# Altium PCB Blues Brkr.PcbDoc (continued)
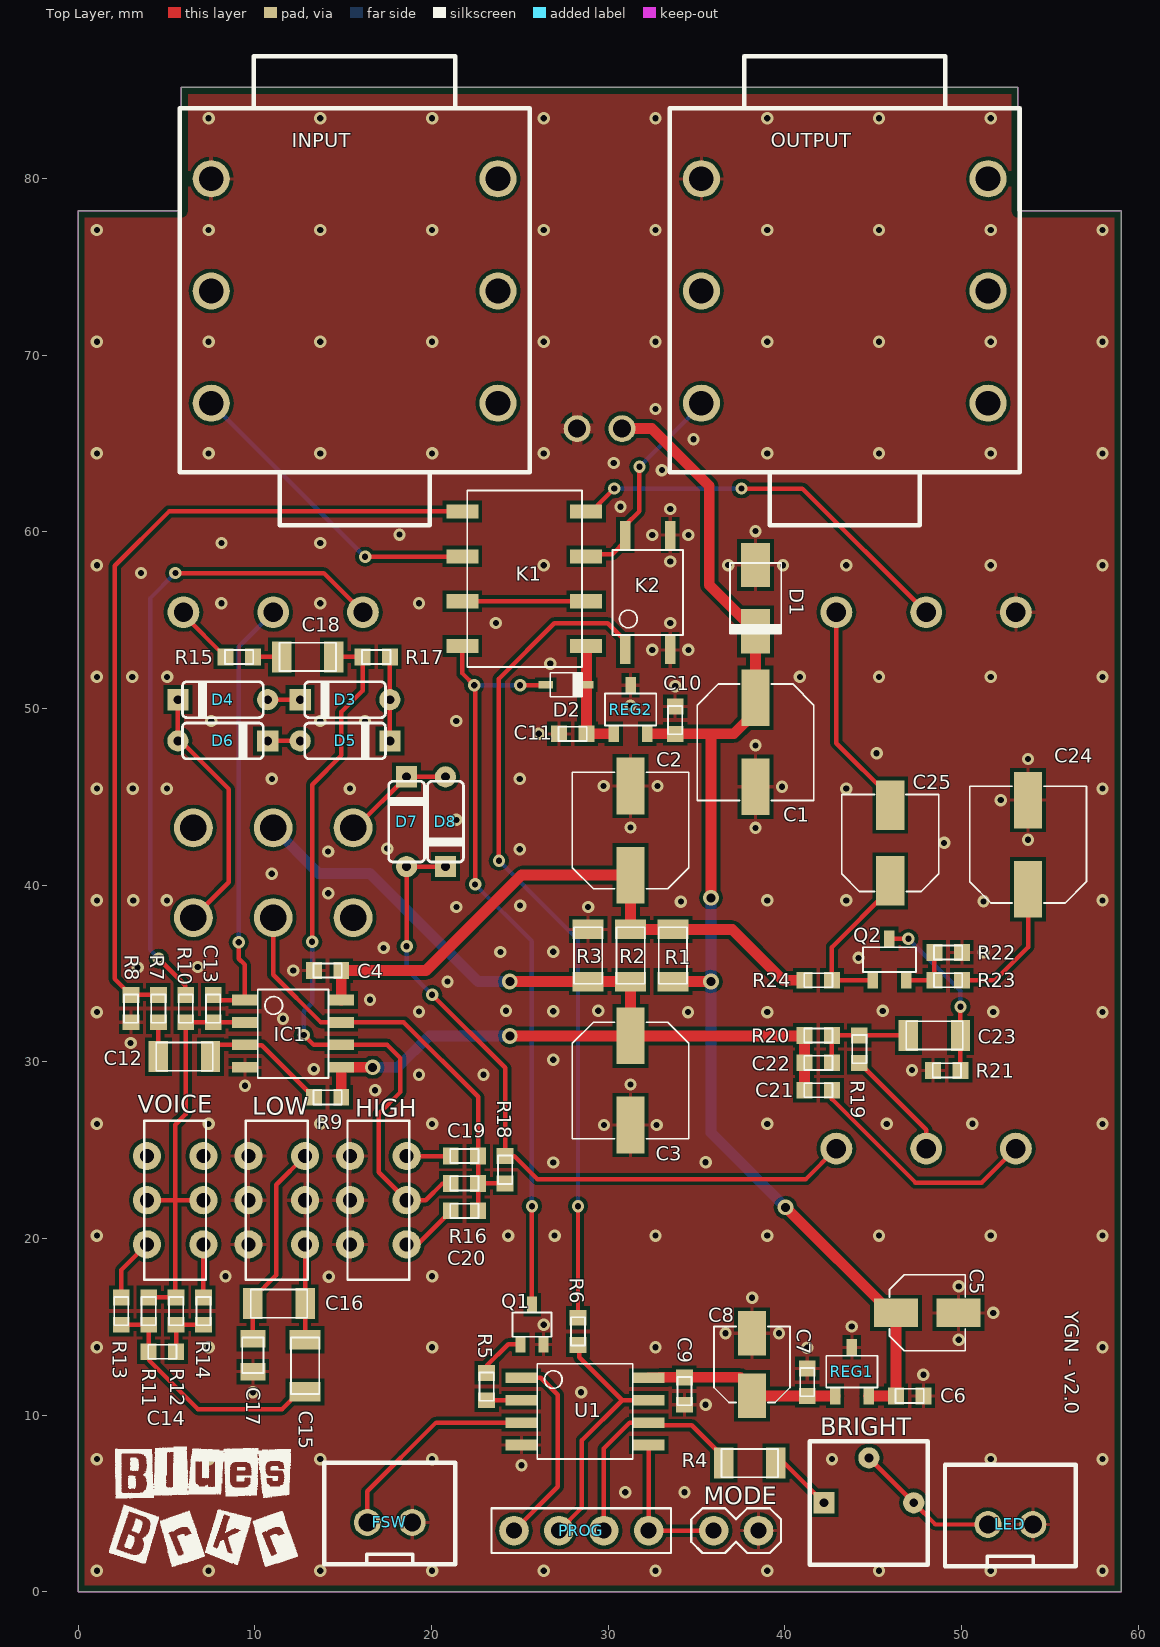
[diagram p0: Top Layer view]
## Part data (continued)
R17 R19: library part CRCW06036K80FKEA, "RES SMD 6.8K OHM 1% 1/10W 0603", Case/Package=0603, Case Code (Metric)=1608, Manufacturer=Vishay, Max Operating Temperature=155°C, Max Power Dissipation=100mW, Min Operating Temperature=-55°C, Package Quantity=10, Resistance=6.8kR, Supplier Part Number 1=1469831, Temperature Coefficient=100ppm/°C, Tolerance=1%, Voltage Rating=75V, Case Code (Imperial)=0603, ComponentLink1Description=https://datasheet.ciiva.com/11811/0900766b80d98afc-11811920.pdf?src-supplier=RSComponents, ComponentLink1URL=https://datasheet.ciiva.com/11811/0900766b80d98afc-11811920.pdf?src-supplier=RSComponents, ComponentLink2Description=https://datasheet.ciiva.com/2465/dcrcwe3-2465684.pdf?src-supplier=Digi-Key, ComponentLink2URL=https://datasheet.ciiva.com/2465/dcrcwe3-2465684.pdf?src-supplier=Digi-Key, ComponentLink3Description=https://datasheet.ciiva.com/22870/70201119-22870027.pdf?src-supplier=Allied+Electronics, ComponentLink3URL=https://datasheet.ciiva.com/22870/70201119-22870027.pdf?src-supplier=Allied+Electronics, ComponentLink4Description=https://datasheet.ciiva.com/2465/dcrcwe3-2465685.pdf?src-supplier=Digi-Key, ComponentLink4URL=https://datasheet.ciiva.com/2465/dcrcwe3-2465685.pdf?src-supplier=Digi-Key, ComponentLink5Description=https://datasheet.ciiva.com/2465/dcrcwe3-2465686.pdf?src-supplier=Digi-Key, ComponentLink5URL=https://datasheet.ciiva.com/2465/dcrcwe3-2465686.pdf?src-supplier=Digi-Key, ComponentLink6Description=https://datasheet.ciiva.com/3257/dcrcwe3-3257852.pdf?src-supplier=Avnet, ComponentLink6URL=https://datasheet.ciiva.com/3257/dcrcwe3-3257852.pdf?src-supplier=Avnet, ComponentLink7Description=https://datasheet.ciiva.com/16508/dcrcwe3-16508431.pdf?src-supplier=Future+Electronics, ComponentLink7URL=https://datasheet.ciiva.com/16508/dcrcwe3-16508431.pdf?src-supplier=Future+Electronics, ComponentLink8Description=https://datasheet.ciiva.com/26314/fld-crcw-e3-data-en-26314745.pdf?src-supplier=Distrelec, ComponentLink8URL=https://datasheet.ciiva.com/26314/fld-crcw-e3-data-en-26314745.pdf?src-supplier=Distrelec, ComponentLink9Description=https://datasheet.ciiva.com/16771/70201119-16771274.pdf?src-supplier=Allied+Electronics, ComponentLink9URL=https://datasheet.ciiva.com/16771/70201119-16771274.pdf?src-supplier=Allied+Electronics, ComponentLink10Description=https://datasheet.ciiva.com/7673/1697337-7673148.pdf?src-supplier=Element14, ComponentLink10URL=https://datasheet.ciiva.com/7673/1697337-7673148.pdf?src-supplier=Element14, ComponentLink11Description=https://datasheet.ciiva.com/3257/dcrcwe3-3257853.pdf?src-supplier=Avnet, ComponentLink11URL=https://datasheet.ciiva.com/3257/dcrcwe3-3257853.pdf?src-supplier=Avnet, Composition="Thick Film", Contact Plating=Tin, Depth=0.85mm, Features="Automotive AEC-Q200", Height=0.45mm, Lead Free="Lead Free", Length=1.55mm, Manufacturer Part Number=CRCW06036K80FKEA, Military Standard=Not, Number of Terminations=2, Packaging="Tape and Reel", Power Rating=100mW, Price=0.0093, Pricing="10=0.0111, 100=0.0092, 500=0.0084, 1000=0.0061 (EUR)", Radiation Hardening=No, REACH SVHC=Unknown, RoHS=Yes, Stock=33883, Supplier 1=Farnell, Termination=SMD/SMT, Voltage Rating (DC)=75V, Weight=7.1E-05oz, Width=0.033inch
R20: library part CRCW0603100KFKEA, "RES SMD 100K OHM 1% 1/10W 0603", Case/Package=0603, Case Code (Metric)=1608, Manufacturer=Vishay, Max Operating Temperature=155°C, Max Power Dissipation=100mW, Min Operating Temperature=-55°C, Package Quantity=10, Resistance=100kR, Supplier Part Number 1=1469649, Temperature Coefficient=100ppm/°C, Tolerance=1%, Voltage Rating=75V, Case Code (Imperial)=0603, ComponentLink1Description=https://datasheet.ciiva.com/11809/0900766b80d98afc-11809004.pdf?src-supplier=RSComponents, ComponentLink1URL=https://datasheet.ciiva.com/11809/0900766b80d98afc-11809004.pdf?src-supplier=RSComponents, ComponentLink2Description=https://datasheet.ciiva.com/2465/dcrcwe3-2465525.pdf?src-supplier=Digi-Key, ComponentLink2URL=https://datasheet.ciiva.com/2465/dcrcwe3-2465525.pdf?src-supplier=Digi-Key, ComponentLink3Description=https://datasheet.ciiva.com/7777/1697337-7777269.pdf?src-supplier=Element14, ComponentLink3URL=https://datasheet.ciiva.com/7777/1697337-7777269.pdf?src-supplier=Element14, ComponentLink4Description=https://datasheet.ciiva.com/15159/getdatasheetpartid-93113-15159925.pdf?src-supplier=Verical, ComponentLink4URL=https://datasheet.ciiva.com/15159/getdatasheetpartid-93113-15159925.pdf?src-supplier=Verical, ComponentLink5Description=https://datasheet.ciiva.com/46441/1720486-46441605.pdf?src-supplier=Element14, ComponentLink5URL=https://datasheet.ciiva.com/46441/1720486-46441605.pdf?src-supplier=Element14, ComponentLink6Description=https://datasheet.ciiva.com/2465/dcrcwe3-2465526.pdf?src-supplier=Digi-Key, ComponentLink6URL=https://datasheet.ciiva.com/2465/dcrcwe3-2465526.pdf?src-supplier=Digi-Key, ComponentLink7Description=https://datasheet.ciiva.com/2465/dcrcwe3-2465527.pdf?src-supplier=Digi-Key, ComponentLink7URL=https://datasheet.ciiva.com/2465/dcrcwe3-2465527.pdf?src-supplier=Digi-Key, ComponentLink8Description=https://datasheet.ciiva.com/8340/dcrcwe3-8340199.pdf?src-supplier=Avnet, ComponentLink8URL=https://datasheet.ciiva.com/8340/dcrcwe3-8340199.pdf?src-supplier=Avnet, ComponentLink9Description=https://datasheet.ciiva.com/16725/70201119-16725223.pdf?src-supplier=Allied+Electronics, ComponentLink9URL=https://datasheet.ciiva.com/16725/70201119-16725223.pdf?src-supplier=Allied+Electronics, ComponentLink10Description=https://datasheet.ciiva.com/8340/dcrcwe3-8340201.pdf?src-supplier=Avnet, ComponentLink10URL=https://datasheet.ciiva.com/8340/dcrcwe3-8340201.pdf?src-supplier=Avnet, ComponentLink11Description=https://datasheet.ciiva.com/7791/66915-7791994.pdf?src-supplier=Element14, ComponentLink11URL=https://datasheet.ciiva.com/7791/66915-7791994.pdf?src-supplier=Element14, ComponentLink12Description=https://datasheet.ciiva.com/5545/dcrcwe3-109170-5545100.pdf?src-supplier=Mouser, ComponentLink12URL=https://datasheet.ciiva.com/5545/dcrcwe3-109170-5545100.pdf?src-supplier=Mouser, ComponentLink13Description=https://datasheet.ciiva.com/26317/fld-crcw-e3-data-en-26317165.pdf?src-supplier=Distrelec, ComponentLink13URL=https://datasheet.ciiva.com/26317/fld-crcw-e3-data-en-26317165.pdf?src-supplier=Distrelec, ComponentLink14Description=https://datasheet.ciiva.com/16941/dcrcw-16941311.pdf?src-supplier=Avnet+Europe, ComponentLink14URL=https://datasheet.ciiva.com/16941/dcrcw-16941311.pdf?src-supplier=Avnet+Europe, Composition="Thick Film", Contact Plating=Tin, Depth=0.85mm, Features="Automotive AEC-Q200", Height=0.45mm, Lead Free="Lead Free", Length=1.55mm, Manufacturer Part Number=CRCW0603100KFKEA, Military Standard=Not, Number of Pins=2, Number of Terminations=2, Packaging="Tape and Reel", Power Rating=100mW, Price=0.0136, Pricing="10=0.0169, 100=0.013, 500=0.0113, 1000=0.0068 (EUR)", Radiation Hardening=No, REACH SVHC=Unknown, RoHS=Yes, Stock=573766, Supplier 1=Farnell, Termination=SMD/SMT, Voltage Rating (DC)=75V, Weight=7.1E-05oz, Width=0.033inch
R21: library part CRCW06031M00FKEA, "RES SMD 1M OHM 1% 1/10W 0603", Case/Package=0603, Case Code (Metric)=1608, Manufacturer=Vishay, Max Operating Temperature=155°C, Max Power Dissipation=100mW, Min Operating Temperature=-55°C, Package Quantity=10, Resistance=1MR, Supplier Part Number 1=1469746, Temperature Coefficient=100ppm/°C, Tolerance=1%, Voltage Rating=75V, Case Code (Imperial)=0603, ComponentLink1Description=https://datasheet.ciiva.com/11809/0900766b80d98afc-11809074.pdf?src-supplier=RSComponents, ComponentLink1URL=https://datasheet.ciiva.com/11809/0900766b80d98afc-11809074.pdf?src-supplier=RSComponents, ComponentLink2Description=https://datasheet.ciiva.com/26314/fld-crcw-e3-data-en-26314645.pdf?src-supplier=Distrelec, ComponentLink2URL=https://datasheet.ciiva.com/26314/fld-crcw-e3-data-en-26314645.pdf?src-supplier=Distrelec, ComponentLink3Description=https://datasheet.ciiva.com/2465/dcrcwe3-2465549.pdf?src-supplier=Digi-Key, ComponentLink3URL=https://datasheet.ciiva.com/2465/dcrcwe3-2465549.pdf?src-supplier=Digi-Key, ComponentLink4Description=https://datasheet.ciiva.com/16311/dcrcwe3-16311533.pdf?src-supplier=Future+Electronics, ComponentLink4URL=https://datasheet.ciiva.com/16311/dcrcwe3-16311533.pdf?src-supplier=Future+Electronics, ComponentLink5Description=https://datasheet.ciiva.com/2465/dcrcwe3-2465550.pdf?src-supplier=Digi-Key, ComponentLink5URL=https://datasheet.ciiva.com/2465/dcrcwe3-2465550.pdf?src-supplier=Digi-Key, ComponentLink6Description=https://datasheet.ciiva.com/7841/1720486-7841822.pdf?src-supplier=Element14, ComponentLink6URL=https://datasheet.ciiva.com/7841/1720486-7841822.pdf?src-supplier=Element14, ComponentLink7Description=https://datasheet.ciiva.com/2465/dcrcwe3-2465551.pdf?src-supplier=Digi-Key, ComponentLink7URL=https://datasheet.ciiva.com/2465/dcrcwe3-2465551.pdf?src-supplier=Digi-Key, ComponentLink8Description=https://datasheet.ciiva.com/7841/125364-7841823.pdf?src-supplier=Element14, ComponentLink8URL=https://datasheet.ciiva.com/7841/125364-7841823.pdf?src-supplier=Element14, Composition="Thick Film", Contact Plating=Tin, Depth=0.85mm, Features="Automotive AEC-Q200", Height=0.45mm, Lead Free="Lead Free", Length=1.55mm, Manufacturer Part Number=CRCW06031M00FKEA, Military Standard=Not, Mount="Surface Mount", Number of Pins=2, Number of Terminations=2, Packaging="Tape and Reel", Power Rating=100mW, Price=0.0131, Pricing="10=0.0169, 100=0.013, 500=0.0113, 1000=0.008 (EUR)", Radiation Hardening=No, REACH SVHC=Unknown, RoHS=Yes, Stock=118520, Supplier 1=Farnell, Termination=SMD/SMT, Voltage Rating (DC)=75V, Weight=7.1E-05oz, Width=0.85mm
R22 R23: library part CRCW060312K0FKEA, "RES SMD 12K OHM 1% 1/10W 0603", Case/Package=0603, Case Code (Metric)=1608, Manufacturer=Vishay, Max Operating Temperature=155°C, Max Power Dissipation=100mW, Min Operating Temperature=-55°C, Package Quantity=10, Resistance=12kR, Supplier Part Number 1=1652834, Temperature Coefficient=100ppm/°C, Tolerance=1%, Voltage Rating=75V, Case Code (Imperial)=0603, ComponentLink1Description=https://datasheet.ciiva.com/11811/0900766b80d98afc-11811312.pdf?src-supplier=RSComponents, ComponentLink1URL=https://datasheet.ciiva.com/11811/0900766b80d98afc-11811312.pdf?src-supplier=RSComponents, ComponentLink2Description=https://datasheet.ciiva.com/2466/dcrcwe3-2466560.pdf?src-supplier=Digi-Key, ComponentLink2URL=https://datasheet.ciiva.com/2466/dcrcwe3-2466560.pdf?src-supplier=Digi-Key, ComponentLink3Description=https://datasheet.ciiva.com/2466/dcrcwe3-2466561.pdf?src-supplier=Digi-Key, ComponentLink3URL=https://datasheet.ciiva.com/2466/dcrcwe3-2466561.pdf?src-supplier=Digi-Key, ComponentLink4Description=https://datasheet.ciiva.com/2466/dcrcwe3-2466562.pdf?src-supplier=Digi-Key, ComponentLink4URL=https://datasheet.ciiva.com/2466/dcrcwe3-2466562.pdf?src-supplier=Digi-Key, ComponentLink5Description=https://datasheet.ciiva.com/16430/dcrcwe3-16430069.pdf?src-supplier=Future+Electronics, ComponentLink5URL=https://datasheet.ciiva.com/16430/dcrcwe3-16430069.pdf?src-supplier=Future+Electronics, ComponentLink6Description=https://datasheet.ciiva.com/16515/dcrcwe3-16515029.pdf?src-supplier=Avnet+Asia, ComponentLink6URL=https://datasheet.ciiva.com/16515/dcrcwe3-16515029.pdf?src-supplier=Avnet+Asia, ComponentLink7Description=https://datasheet.ciiva.com/3256/dcrcwe3-3256998.pdf?src-supplier=Avnet, ComponentLink7URL=https://datasheet.ciiva.com/3256/dcrcwe3-3256998.pdf?src-supplier=Avnet, ComponentLink8Description=https://datasheet.ciiva.com/5545/dcrcwe3-109170-5545254.pdf?src-supplier=Mouser, ComponentLink8URL=https://datasheet.ciiva.com/5545/dcrcwe3-109170-5545254.pdf?src-supplier=Mouser, ComponentLink9Description=https://datasheet.ciiva.com/3256/dcrcwe3-3256999.pdf?src-supplier=Avnet, ComponentLink9URL=https://datasheet.ciiva.com/3256/dcrcwe3-3256999.pdf?src-supplier=Avnet, ComponentLink10Description=https://datasheet.ciiva.com/7841/1533075-7841820.pdf?src-supplier=Element14, ComponentLink10URL=https://datasheet.ciiva.com/7841/1533075-7841820.pdf?src-supplier=Element14, ComponentLink11Description=https://datasheet.ciiva.com/16885/dcrcwe3-16885263.pdf?src-supplier=Avnet+Europe, ComponentLink11URL=https://datasheet.ciiva.com/16885/dcrcwe3-16885263.pdf?src-supplier=Avnet+Europe, Composition="Thick Film", Contact Plating=Tin, Depth=0.85mm, Features="Automotive AEC-Q200", Height=0.45mm, Lead Free="Lead Free", Length=1.55mm, Manufacturer Part Number=CRCW060312K0FKEA, Military Standard=Not, Mount="Surface Mount", Number of Terminations=2, Packaging="Tape and Reel", Power Rating=100mW, Price=0.0074, Pricing="10=0.0169, 100=0.013, 500=0.0113, 1000=0.0068 (EUR)", Radiation Hardening=No, REACH SVHC=Unknown, RoHS=Yes, Stock=58266, Supplier 1=Farnell, Termination=SMD/SMT, Voltage Rating (DC)=75V, Weight=7.1E-05oz, Width=0.033inch
R24: library part CRCW060322K0FKEA, "RES SMD 22K OHM 1% 1/10W 0603", Case/Package=0603, Case Code (Metric)=1608, Manufacturer=Vishay, Max Operating Temperature=155°C, Max Power Dissipation=100mW, Min Operating Temperature=-55°C, Package Quantity=10, Resistance=22kR, Supplier Part Number 1=1469779, Temperature Coefficient=100ppm/°C, Tolerance=1%, Voltage Rating=75V, Case Code (Imperial)=0603, ComponentLink1Description=https://datasheet.ciiva.com/11818/0900766b80d98afc-11818177.pdf?src-supplier=RSComponents, ComponentLink1URL=https://datasheet.ciiva.com/11818/0900766b80d98afc-11818177.pdf?src-supplier=RSComponents, ComponentLink2Description=https://datasheet.ciiva.com/15159/getdatasheetpartid-32846-15159349.pdf?src-supplier=Verical, ComponentLink2URL=https://datasheet.ciiva.com/15159/getdatasheetpartid-32846-15159349.pdf?src-supplier=Verical, ComponentLink3Description=https://datasheet.ciiva.com/2466/dcrcwe3-2466263.pdf?src-supplier=Digi-Key, ComponentLink3URL=https://datasheet.ciiva.com/2466/dcrcwe3-2466263.pdf?src-supplier=Digi-Key, ComponentLink4Description=https://datasheet.ciiva.com/7672/1697337-7672871.pdf?src-supplier=Element14, ComponentLink4URL=https://datasheet.ciiva.com/7672/1697337-7672871.pdf?src-supplier=Element14, ComponentLink5Description=https://datasheet.ciiva.com/2466/dcrcwe3-2466264.pdf?src-supplier=Digi-Key, ComponentLink5URL=https://datasheet.ciiva.com/2466/dcrcwe3-2466264.pdf?src-supplier=Digi-Key, ComponentLink6Description=https://datasheet.ciiva.com/7673/1720486-7673144.pdf?src-supplier=Element14, ComponentLink6URL=https://datasheet.ciiva.com/7673/1720486-7673144.pdf?src-supplier=Element14, ComponentLink7Description=https://datasheet.ciiva.com/16427/dcrcwe3-16427336.pdf?src-supplier=Future+Electronics, ComponentLink7URL=https://datasheet.ciiva.com/16427/dcrcwe3-16427336.pdf?src-supplier=Future+Electronics, ComponentLink8Description=https://datasheet.ciiva.com/16893/dcrcwe3-16893896.pdf?src-supplier=Avnet+Europe, ComponentLink8URL=https://datasheet.ciiva.com/16893/dcrcwe3-16893896.pdf?src-supplier=Avnet+Europe, ComponentLink9Description=https://datasheet.ciiva.com/2466/dcrcwe3-2466265.pdf?src-supplier=Digi-Key, ComponentLink9URL=https://datasheet.ciiva.com/2466/dcrcwe3-2466265.pdf?src-supplier=Digi-Key, ComponentLink10Description=https://datasheet.ciiva.com/8339/dcrcwe3-8339961.pdf?src-supplier=Avnet, ComponentLink10URL=https://datasheet.ciiva.com/8339/dcrcwe3-8339961.pdf?src-supplier=Avnet, ComponentLink11Description=https://datasheet.ciiva.com/16767/70201119-16767417.pdf?src-supplier=Allied+Electronics, ComponentLink11URL=https://datasheet.ciiva.com/16767/70201119-16767417.pdf?src-supplier=Allied+Electronics, ComponentLink12Description=https://datasheet.ciiva.com/26314/fld-crcw-e3-data-en-26314666.pdf?src-supplier=Distrelec, ComponentLink12URL=https://datasheet.ciiva.com/26314/fld-crcw-e3-data-en-26314666.pdf?src-supplier=Distrelec, Composition="Thick Film", Contact Plating=Tin, Depth=0.85mm, Features="Automotive AEC-Q200", Height=0.45mm, Lead Free="Lead Free", Length=1.55mm, Manufacturer Part Number=CRCW060322K0FKEA, Military Standard=Not, Mount="Surface Mount", Number of Terminations=2, Packaging="Tape and Reel", Power Rating=100mW, Price=0.013, Pricing="10=0.0169, 100=0.013, 500=0.0113, 1000=0.008 (EUR)", Radiation Hardening=No, REACH SVHC=Unknown, RoHS=Yes, Stock=139047, Supplier 1=Farnell, Termination=SMD/SMT, Voltage Rating (DC)=75V, Weight=7.1E-05oz, Width=0.85mm
REG1 REG2: library part TS78L05CXRFG, "TAIWAN SEMICONDUCTOR - TS78L05CX RFG - REG 3-TERMINAL 100MA, SMD, SOT23-3", Case/Package=SOT-23, Manufacturer="Taiwan Semiconductor", Max Input Voltage=35V, Max Operating Temperature=125°C, Min Input Voltage=0uV, Min Operating Temperature=0°C, Nominal Output Voltage=5V, Output Current=100mA, Supplier Part Number 1=1476698, ComponentLink1Description=http://www.farnell.com/datasheets/2044138.pdf?src-supplier=Farnell, ComponentLink1URL=http://www.farnell.com/datasheets/2044138.pdf?src-supplier=Farnell, ComponentLink2Description=http://www.farnell.com/datasheets/4546.pdf?src-supplier=Element14, ComponentLink2URL=http://www.farnell.com/datasheets/4546.pdf?src-supplier=Element14, ComponentLink3Description=http://www.taiwansemi.com/products/datasheet/TS78L00_I15.pdf?src-supplier=Digi-Key, ComponentLink3URL=http://www.taiwansemi.com/products/datasheet/TS78L00_I15.pdf?src-supplier=Digi-Key, Manufacturer Part Number=TS78L05CXRFG, Number of Outputs=1, Number of Pins=3, Packaging="Cut Tape", Price=0.262, Pricing="5=0.101, 50=0.099, 100=0.097, 250=0.0949, 500=0.0929, 1000=0.0909, 5000=0.0889, 10000=0.0869 (EUR)", REACH SVHC="No SVHC", RoHS=Yes, Stock=0, Supplier 1=Farnell
SW1: library part DPDT_ON-OFF-ON, "DPDT toggle switch ON/OFF/ON", Price=0.5
TONE: library part 25kB_ALPHA_16mm, "25k Lin potentiometer round shaft", Package="PCB Mounted", Dimensions=16mm, Price=0.5
U1: library part ATTINY85-20SU, "IC, 8BIT MCU, AVR TINY, 20MHZ, 8-SOIC", Case/Package=SOIC, Frequency=20MHz, Manufacturer="Microchip / Atmel", Max Operating Temperature=85°C, Max Supply Voltage=5.5V, Min Operating Temperature=-40°C, Min Supply Voltage=2.7V, Package Quantity=95, Supplier Part Number 1=1455164, Access Time=20us, ComponentLink1Description=https://datasheet.ciiva.com/1167/1698186-1167152.pdf?src-supplier=Newark, ComponentLink1URL=https://datasheet.ciiva.com/1167/1698186-1167152.pdf?src-supplier=Newark, ComponentLink2Description=https://datasheet.ciiva.com/15122/getdatasheetpartid-131914-15122511.pdf?src-supplier=Verical, ComponentLink2URL=https://datasheet.ciiva.com/15122/getdatasheetpartid-131914-15122511.pdf?src-supplier=Verical, ComponentLink3Description=https://datasheet.ciiva.com/26207/doc2586-26207573.pdf?src-supplier=Avnet+Europe, ComponentLink3URL=https://datasheet.ciiva.com/26207/doc2586-26207573.pdf?src-supplier=Avnet+Europe, ComponentLink4Description=https://datasheet.ciiva.com/28653/1698186-28653829.pdf?src-supplier=Element14, ComponentLink4URL=https://datasheet.ciiva.com/28653/1698186-28653829.pdf?src-supplier=Element14, ComponentLink5Description=https://datasheet.ciiva.com/3203/doc2586-3203150.pdf?src-supplier=Avnet, ComponentLink5URL=https://datasheet.ciiva.com/3203/doc2586-3203150.pdf?src-supplier=Avnet, Contact Plating=Tin, Core Architecture=AVR, Data Bus Width=8b, Density=8KB, Height=1.91mm, Interface=SPI, Lead Free="Lead Free", Length=5.35mm, Manufacturer Part Number=ATTINY85-20SU, Max Frequency=20MHz, Memory Size=8KB, Memory Type=FLASH, Mount="Surface Mount", Number of ADC Channels=4, Number of I2C Channels=1, Number of I/Os=6, Number of Pins=8, Number of Programmable I/O=6, Number of PWM Channels=6, Number of SPI Channels=1, Number of Timers/Counters=2, Number of UART Channels=1, Oscillator Type=Internal, Packaging=Rail/Tube, Peripherals="Brown-out Detect/Reset", Price=0.98, Pricing="1=0.972, 25=0.925, 100=0.894, 1000=0.862 (EUR)", Radiation Hardening=No, RAM Size=512B, REACH SVHC="No SVHC", RoHS=Yes, Stock=2172, Supplier 1=Farnell, Termination=SMD/SMT, Watchdog Timer=Yes, Width=5.4mm
VOICE: library part SW_SLIDE_DPDT_ON-ON, "DPDT slide switch ON/ON", Price=0.5
VOL: library part 100kA_ALPHA_16mm, "100k Log potentiometer round shaft", Package="PCB Mounted", Dimensions=16mm, Price=0.5

## Via types
v1: diameter 0.7, hole 0.35, Top Layer to Bottom Layer, tented both sides, 163 vias
v2: diameter 0.7, hole 0.35, Top Layer to Bottom Layer, 63 vias
v3: diameter 0.889, hole 0.508, Top Layer to Bottom Layer, 6 vias

## Nets (pads, with @x,y where several pads share a name; then routed paths per layer and width w, separated by ;. In a path a pad name is that pad's centre, name@x,y a point inside that pad or via, vN(x,y) a via of type N, cw(c..) or ccw(c..) an arc to the next point about the centre after c; other vN are vias at no path point)
+5V: C7.1 C8.+ C9.1 REG1.1 U1.8 | length 11.2
  Top Layer w0.61: U1.8 32.89,12.13 32.91,12.15 C9.1 37.475,12.15 38.15,11.475 C8.+ 38.153,11.1 C7.1 REG1.1
+9V: C1.+ C5.+ C6.1 C10.1 D1.1 DC.1 R1.1 REG1.2 REG2.2 | length 72.5
  Top Layer w0.61: DC.1 32.475,65.85 35.725,62.6 35.725,57 D1.1 C1.+ 38.35,49.803 37.122,48.575 35.825,48.575 ; REG2.2 C10.1 35.825,48.575 ; R1.1 v3(35.825,34.55) ; v3(35.825,39.291) 35.825,48.575 ; v3(40.05,21.775) 46.025,15.8 C5.+ 46.303,11.103 C6.1 REG1.2
  Bottom Layer w0.61: v3(35.825,39.291) v3(35.825,34.55) 35.825,26 v3(40.05,21.775)
GND: C1.- C2.- C3.- C4.2 C5.- C6.2 C7.2 C8.- C9.2 C10.2 C11.2 C17.2 C24.- D1.2 DC.2 FSW.2 HIGH.B1 HIGH.B2 HIGH.B3 IC1.4 INPUT.S K2.3 K2.4 LED.2 LOW.A2 LOW.B1 LOW.B2 LOW.B3 MODE.1 OUTPUT.S Q1.2 R3.1 R8.1 R21.1 R22.1 REG1.3 REG2.3 U1.4 VOL.1
  other v1: 30.975,5.65 34.325,5.65 25.1,7.175 7.391,7.523 13.716,7.523 20.041,7.523 42.675,7.523 51.664,7.523 35.525,10.6 9.9,11.3 28.475,11.301 47.85,12.3 41.275,13.825 7.391,13.848 20.041,13.848 32.69,13.848 49.847,14.275 36.65,14.647 39.675,14.647 43.8,15.025 26.365,15.125 51.8,15.8 38.153,16.65 49.847,17.3 14.2,17.85 8.35,17.875 20.041,17.875 24.346,20.172 26.975,20.172 32.69,20.172 39.014,20.172 45.339,20.172 51.664,20.172 26.9,24.313 35.525,24.328 29.775,26.432 32.75,26.432 7.391,26.497 13.716,26.497 20.041,26.497 39.014,26.497 45.775,26.497 50.625,26.5 16.819,28.4 9.45,28.65 31.275,28.725 19.3,29.275 22.95,29.275 47.205,29.54 13.35,29.593 26.9,30.125 2.975,31.075 11.6,32.45 34.525,32.822 39.014,32.822 19.3,32.85 51.8,32.836 26.9,32.875 24.225,32.903 29.449,32.903 45.55,32.89 16.525,33.525 20.916,34.55 12.187,35.175 3.375,35.35 6.778,35.375 44.175,35.89 23.909,36.225 26.9,36.235 51.25,36.215 17.3,36.459 21.416,38.775 28.875,38.775 25.025,38.85 34.125,39.075 51.25,39.09 3.125,39.146 5.032,39.146 39.014,39.146 43.482,39.146 14.166,39.55 10.966,40.65 14.157,41.914 25.002,42.039 17.5,42.075 49.025,42.4 53.775,42.575 38.35,43.25 31.275,43.275 21.416,43.7 52.225,44.821 3.1,45.471 5.032,45.471 15.391,45.471 43.482,45.471 39.85,45.579 29.75,45.621 32.8,45.621 10.975,46.025 25.002,46.025 53.775,47.15 45.2,47.475 38.35,47.922 26.075,48.575 7.541,49.3 13.707,49.3 16.241,49.3 21.407,49.3 31.275,50.175 33.8,51.275 3.075,51.795 5.041,51.795 40.86,51.795 45.339,51.795 51.664,51.795 26.725,52.55 32.5,53.325 34.55,53.325 23.65,54.85 33.52,54.85 8.116,55.965 13.707,55.965 19.3,55.965 3.563,57.675 26.365,58.12 36.8,58.125 39.9,58.12 43.482,58.12 51.664,58.12 33.52,58.325 8.125,59.375 13.716,59.375 32.5,59.825 34.55,59.825 18.2,59.85 38.35,60.05 33.52,61.3 30.707,61.422 33.05,63.5 30.325,63.902 7.391,64.445 13.716,64.445 20.041,64.445 26.365,64.445 39.014,64.445 45.339,64.445 51.664,64.445 34.841,65.25 32.69,66.962 7.391,70.769 13.716,70.769 20.041,70.769 26.365,70.769 32.69,70.769 39.014,70.769 45.339,70.769 51.664,70.769 13.716,77.094 20.041,77.094 26.365,77.094 32.69,77.094 39.014,77.094 45.339,77.094
  other v2: 1.067,1.199 7.391,1.199 13.716,1.199 20.041,1.199 26.365,1.199 32.69,1.199 39.014,1.199 45.339,1.199 51.664,1.199 57.988,1.199 1.067,7.523 57.988,7.523 1.067,13.848 57.988,13.848 1.067,20.172 57.988,20.172 1.067,26.497 57.988,26.497 1.067,32.822 57.988,32.822 1.067,39.146 57.988,39.146 1.067,45.471 57.988,45.471 1.067,51.795 57.988,51.795 1.067,58.12 57.988,58.12 1.067,64.445 57.988,64.445 1.067,70.769 57.988,70.769 1.067,77.094 7.391,77.094 51.664,77.094 57.988,77.094 7.391,83.418 13.716,83.418 20.041,83.418 26.365,83.418 32.69,83.418 39.014,83.418 45.339,83.418 51.664,83.418
INPUT: INPUT.T K1.6 | length 17.8
  Top Layer w0.254: v2(16.25,58.6) 21.741,58.6 K1.6
  Bottom Layer w0.254: INPUT.T 16.231,58.6 v2(16.25,58.6)
NetBRIGHT_1: BRIGHT.1 R4.2 | length 3.7
  Top Layer w0.254: R4.2 39.975,7.3 BRIGHT.1
NetBRIGHT_2: BRIGHT.2 BRIGHT.3 LED.1 | length 8.3
  Top Layer w0.254: BRIGHT.2 BRIGHT.3 48.535,3.82 LED.1
NetC11_1: C11.1 D2.1 K1.1 REG2.1 | length 6.5
  Top Layer w0.61: K1.1 28.775,53.526 D2.1 C11.1 REG2.1
NetC12_1: C12.1 IC1.3 R9.1 | length 7.5
  Top Layer w0.254: C12.1 7.5,30.542 7.923,30.965 IC1.3 9.471,30.944 10.407,30.944 13.003,28.348 13.028,28.348 13.351,28.025 R9.1
NetC12_2: C12.2 R7.2 | length 2
  Top Layer w0.254: C12.2 R7.2
NetC13_1: C13.1 GAIN.2 IC1.1 | length 24.8
  Top Layer w0.254: C13.1 7.945,33.505 IC1.1 9.45,35.5 9.1,35.85 v2(9.1,36.772)
  Bottom Layer w0.254: v2(9.1,36.772) 9.1,53.504 GAIN.2
NetC13_2: C13.2 IC1.2 R10.1 R11.2 R12.2 VOICE.A2 VOICE.B2 | length 24
  Top Layer w0.254: VOICE.A2 5.5,22.175 ; R11.2 R12.2 5.5,16.725 5.5,22.175 ; VOICE.B2 5.5,22.175 ; IC1.2 9.435,32.25 C13.2 R10.1 6.1,27.053 5.5,26.453 5.5,22.175
NetC14_1: C14.1 R12.1 R14.1 | length 3.1
  Top Layer w0.254: C14.1 R12.1 R14.1
NetC14_2: C14.2 C15.1 R11.1 R13.1 | length 13.9
  Top Layer w0.254: R13.1 R11.1 C14.2 4.019,13.581 4.019,13.119 6.788,10.35 11.55,10.35 12.525,11.325 C15.1
NetC15_2: C15.2 C16.2 LOW.A3 | length 5.4
  Top Layer w0.254: C15.2 C16.2 LOW.A3
NetC16_1: C16.1 C17.1 LOW.A1 | length 11.6
  Top Layer w0.254: C17.1 9.899,16.324 C16.1 9.9,16.613 11.225,17.938 11.225,23.05 LOW.A1
NetC18_1: C18.1 R15.1 | length 1.6
  Top Layer w0.254: R15.1 C18.1
NetC18_2: C18.2 HIGH.A2 IC1.6 R16.1 R17.2 | length 42.5
  Top Layer w0.254: v2(12.775,31.525) 13.335,30.965 IC1.6 17.503,30.965 18.25,30.218 18.25,28.3 17.025,27.075 17.025,23.75 HIGH.A2 19.687,22.175 20.629,23.118 21.093,23.118 R16.1 ; v2(13.25,36.8) 13.25,45.7 14.9,47.35 14.9,49.81 16.105,51.015 R17.2 C18.2
  Bottom Layer w0.254: v2(12.775,31.525) 12.775,32.875 13.25,33.35 v2(13.25,36.8)
NetC19_1: C19.1 C20.1 IC1.7 R16.2 R18.1 SW1.B2 | length 25.7
  Top Layer w0.254: SW1.B2 11.049,34.938 13.752,32.235 IC1.7 18.44,32.235 22.65,28.025 C19.1 R16.2 ; C20.1 R16.2 ; R18.1 R16.2
NetC19_2: C19.2 HIGH.A1 | length 2.5
  Top Layer w0.254: HIGH.A1 C19.2
NetC20_2: C20.2 HIGH.A3 | length 3.3
  Top Layer w0.254: HIGH.A3 19.2,19.675 19.225,19.675 21.1,21.55 C20.2
NetC21_1: C21.1 TONE.1 | length 13.7
  Top Layer w0.254: C21.1 42.675,27.9 47.4,23.175 51.161,23.175 TONE.1
NetC22_1: C22.1 C23.2 R19.1 R20.2 | length 6.2
  Top Layer w0.254: C22.1 R20.2 R19.1 C23.2 C23.2@47,31.827
NetC23_1: C23.1 Q2.3 R21.2 | length 9.7
  Top Layer w0.254: Q2.3 v2(47,36.975) ; R21.2 C23.1 v2(49.95,33.125)
  Bottom Layer w0.254: v2(47,36.975) 49.95,34.025 v2(49.95,33.125)
NetC24_+: C24.+ R23.1 | length 7.8
  Top Layer w0.254: R23.1 51.9,34.625 53.775,36.5 C24.+
NetC25_+: C25.+ Q2.1 R24.1 | length 9.3
  Top Layer w0.254: Q2.1 R24.1 42.675,36.5 45.975,39.8 C25.+
NetC25_-: C25.- VOL.3 | length 12.2
  Top Layer w0.254: VOL.3 42.926,48.049 45.975,45 C25.-
NetD2_2: D2.2 K1.8 Q1.3 | length 42.9
  Top Layer w0.254: K1.8 21.761,51.989 v2(22.425,51.325) 22.475,51.275 v2(22.475,40.05) ; v2(25.025,51.325) 26.45,51.325 D2.2 ; v2@25.694,21.884 v2(25.694,21.834) 25.694,16.325 Q1.3@25.7,16.319
  Bottom Layer w0.254: v2(22.425,51.325) v2(25.025,51.325) ; v2(22.475,40.05) 25.694,36.831 v2@25.694,21.884
NetD3_A: D3.A D5.C R17.1 | length 4.8
  Top Layer w0.254: D5.C D3.A R17.1
NetD3_C: D3.C D4.A | length 1.8
  Top Layer w0.254: D4.A D3.C
NetD4_C: D4.C D6.A SW1.B1 | length 14.4
  Top Layer w0.254: D4.C D6.A 5.8,48.175 8.525,45.45 8.525,40.169 SW1.B1
NetD5_A: D5.A D6.C | length 1.8
  Top Layer w0.254: D6.C D5.A
NetD7_A: D7.A D8.C R18.2 TONE.3 | length 40.9
  Top Layer w0.254: v2(18.6,36.55) D7.A D8.C ; v2(20.041,33.8) 24.175,29.666 R18.2 24.7,24.675 26,23.375 41.201,23.375 TONE.3
  Bottom Layer w0.254: v2(18.6,36.55) 18.6,35.241 v2(20.041,33.8)
NetD7_C: D7.C D8.A SW1.A3 | length 6.4
  Top Layer w0.254: SW1.A3 15.711,43.251 D7.C D8.A
NetGAIN_1: GAIN.1 R10.2 | length 36.9
  Top Layer w0.254: v2@4.57,35.845 6.075,34.341 6.075,33.8 R10.2 ; v2(5.512,57.675) 13.907,57.675 GAIN.1
  Bottom Layer w0.254: v2(4.575,35.85) 4.075,36.35 4.075,56.238 v2(5.512,57.675)
NetGAIN_3: GAIN.3 R15.2 | length 3.5
  Top Layer w0.254: GAIN.3 5.996,55.426 5.996,55.279 R15.2
NetK1_2: K1.2 K1.7 | length 7
  Top Layer w0.254: K1.7 K1.2
NetK2_1: K2.1 R6.2 | length 47.4
  Top Layer w0.254: v2(23.825,41.388) 23.825,51.7 26.95,54.825 29.988,54.825 30.807,54.006 30.807,53.498 K2.1 ; R6.2@28.275,15.525 R6.2 v2(28.3,21.838)
  Bottom Layer w0.254: v2(23.825,41.388) 28.3,36.913 v2(28.3,21.838)
NetQ1_1: Q1.1 R5.2 | length 2.8
  Top Layer w0.254: R5.2 23.125,12.797 24.347,14.019 Q1.1
NetQ2_2: Q2.2 R22.2 R23.2 | length 3.2
  Top Layer w0.254: Q2.2 R23.2 R22.2
NetR13_2: R13.2 VOICE.A1 | length 3.6
  Top Layer w0.254: R13.2 2.45,18.225 VOICE.A1
NetR14_2: R14.2 VOICE.B1 | length 3
  Top Layer w0.254: R14.2 VOICE.B1
NetR19_2: R19.2 TONE.2 | length 6.4
  Top Layer w0.254: R19.2 48.006,26.169 TONE.2
OUTPUT: K1.3 K2.6 OUTPUT.T | length 11.8
  Top Layer w0.254: K1.3 28.879,58.738 30.252,58.738 K2.6@30.98,59.466 ; K2.6 30.98,60.379 31.778,61.177 v2(31.778,63.686)
  Bottom Layer w0.254: v2(31.778,63.686) 35.235,67.143 35.235,67.241 OUTPUT.T
PB0: MODE.2 PROG.4 U1.5 | length 8.5
  Top Layer w0.254: U1.5 PROG.4 MODE.2
PB1: PROG.3 R4.1 U1.6 | length 13.2
  Top Layer w0.254: PROG.3 29.76,8.122 31.228,9.59 U1.6 32.46,9.43 34.745,9.43 36.55,7.625 R4.1
PB2: PROG.2 R6.1 U1.7 | length 14.5
  Top Layer w0.254: PROG.2 28.525,4.78 28.525,8.585 30.8,10.86 ; R6.1 28.367,13.908 28.367,13.293 30.8,10.86 ; U1.7 30.8,10.86
PB3: R5.1 U1.2 | length 2
  Top Layer w0.254: R5.1 23.135,10.86 U1.2
PB4: FSW.1 U1.3 | length 12.1
  Top Layer w0.254: FSW.1 16.378,5.703 20.265,9.59 U1.3
PB5: PROG.1 U1.1 | length 11.2
  Top Layer w0.254: PROG.1 27.153,5.948 27.153,11.172 26.195,12.13 U1.1
RETURN: K1.4 VOL.2 | length 22.7
  Top Layer w0.254: K1.4 29.051,61.16 v2(30.35,62.459) ; v2(37.554,62.459) 41,62.459 VOL.2
  Bottom Layer w0.254: v2(30.35,62.459) v2(37.554,62.459)
SEND: K1.5 R7.1 R8.2 | length 47.2
  Top Layer w0.254: R7.1 R8.2 2.975,33.8 2.075,34.7 2.075,58.082 5.153,61.16 K1.5
Vb: C3.+ C21.2 C22.2 IC1.5 R2.2 R3.2 R9.2 R20.1 SW1.A2 | length 58.7
  Top Layer w0.61: R9.2 14.901,29.694 IC1.5 14.905,29.7 v3(16.675,29.7) ; v3(24.444,31.475) C3.+ ; v3(24.444,34.55) R3.2 R2.2 C3.+ ; C21.2 C22.2 R20.1 41.1,31.475 C3.+
  Bottom Layer w0.61: SW1.A2 13.625,40.675 16.525,40.675 22.562,34.637 22.65,34.55 v3(24.444,34.55) ; v3(16.675,29.7) 18.09,29.7 18.095,29.695 19.875,31.475 v3(24.444,31.475)
Vr: C2.+ C4.1 IC1.8 R1.2 R2.1 R24.2 | length 34.4
  Top Layer w0.61: IC1.8 C4.1 19.7,35.175 25.104,40.579 C2.+ R2.1 R1.2 37.025,37.5 39.9,34.625 R24.2
pads on no net: INPUT.R INPUT.RN INPUT.SN INPUT.TN OUTPUT.R OUTPUT.RN OUTPUT.SN OUTPUT.TN SW1.A1 SW1.B3 VOICE.A3 VOICE.B3

## Polygon pours and split planes (outlines as drawn)
GND on Top Layer "GND_L01_P010" (solid, pour order 10): 0,0 59.055,0 59.055,78.186 53.204,78.186 53.204,85.171 5.85,85.171 5.85,78.186 0,78.186
GND on Bottom Layer "GND_L02_P008" (solid, pour order 8): 0,0 59.055,0 59.055,78.059 59.182,78.186 53.204,78.186 53.204,85.171 5.85,85.171 5.85,78.186 0,78.186

## Keep-outs
Keep-Out Layer:
  lines w0.025: 14.523,0 0,0 0,78.186 5.85,78.186 5.85,85.171 53.205,85.171 53.205,78.186 59.055,78.186 59.055,0 44.05,0 ; 14.548,0 44.076,0

## Silkscreen, mask and mechanical layers (free items; w line width, h text height)
Top Overlay:
  drawing of 12 lines, arcs and shapes, not listed
  text "YGN - v2.0" at 55.85,15.9 h0.8 r270
Mechanical 3:
  lines w2: -1,7.523 -1,0 ; -1,13.825 -1,64.445 ; -1,70.769 -1,78.186 ; 60.055,7.518 60.055,0 ; 60.055,13.848 60.055,64.445 ; 60.055,70.774 60.055,78.186 ; -1,0 ccw(c0,0) 0,-1 ; -1,0 ccw(c0,0) 0,-1 ; -1,78.186 cw(c0,78.186) 0,79.186 ; -1,78.186 cw(c0,78.186) 0,79.186 ; 0,-1 59.055,-1 ; 0,79.186 4.85,79.186 4.85,85.171 ; 4.85,85.171 cw(c5.85,85.171) 5.85,86.171 ; 4.85,85.171 cw(c5.85,85.171) 5.85,86.171 ; 5.85,86.171 53.204,86.171 ; 53.204,86.171 cw(c53.204,85.171) 54.204,85.171 ; 53.204,86.171 cw(c53.204,85.171) 54.204,85.171 ; 54.204,85.171 54.204,79.186 59.055,79.186 ; 59.055,-1 ccw(c59.055,0) 60.055,0 ; 59.055,-1 ccw(c59.055,0) 60.055,0 ; 59.055,79.186 cw(c59.055,78.186) 60.055,78.186 ; 59.055,79.186 cw(c59.055,78.186) 60.055,78.186
Route Tool Path:
  lines w2: -1,7.523 -1,0 ; -1,13.825 -1,64.445 ; -1,70.769 -1,78.186 ; 60.055,7.518 60.055,0 ; 60.055,13.848 60.055,64.445 ; 60.055,70.774 60.055,78.186 ; -1,0 ccw(c0,0) 0,-1 ; -1,0 ccw(c0,0) 0,-1 ; -1,78.186 cw(c0,78.186) 0,79.186 ; -1,78.186 cw(c0,78.186) 0,79.186 ; 0,-1 59.055,-1 ; 0,79.186 4.85,79.186 4.85,85.171 ; 4.85,85.171 cw(c5.85,85.171) 5.85,86.171 ; 4.85,85.171 cw(c5.85,85.171) 5.85,86.171 ; 5.85,86.171 53.204,86.171 ; 53.204,86.171 cw(c53.204,85.171) 54.204,85.171 ; 53.204,86.171 cw(c53.204,85.171) 54.204,85.171 ; 54.204,85.171 54.204,79.186 59.055,79.186 ; 59.055,-1 ccw(c59.055,0) 60.055,0 ; 59.055,-1 ccw(c59.055,0) 60.055,0 ; 59.055,79.186 cw(c59.055,78.186) 60.055,78.186 ; 59.055,79.186 cw(c59.055,78.186) 60.055,78.186